# Altium PCB board.PcbDoc (part 3 of 4) (continued)
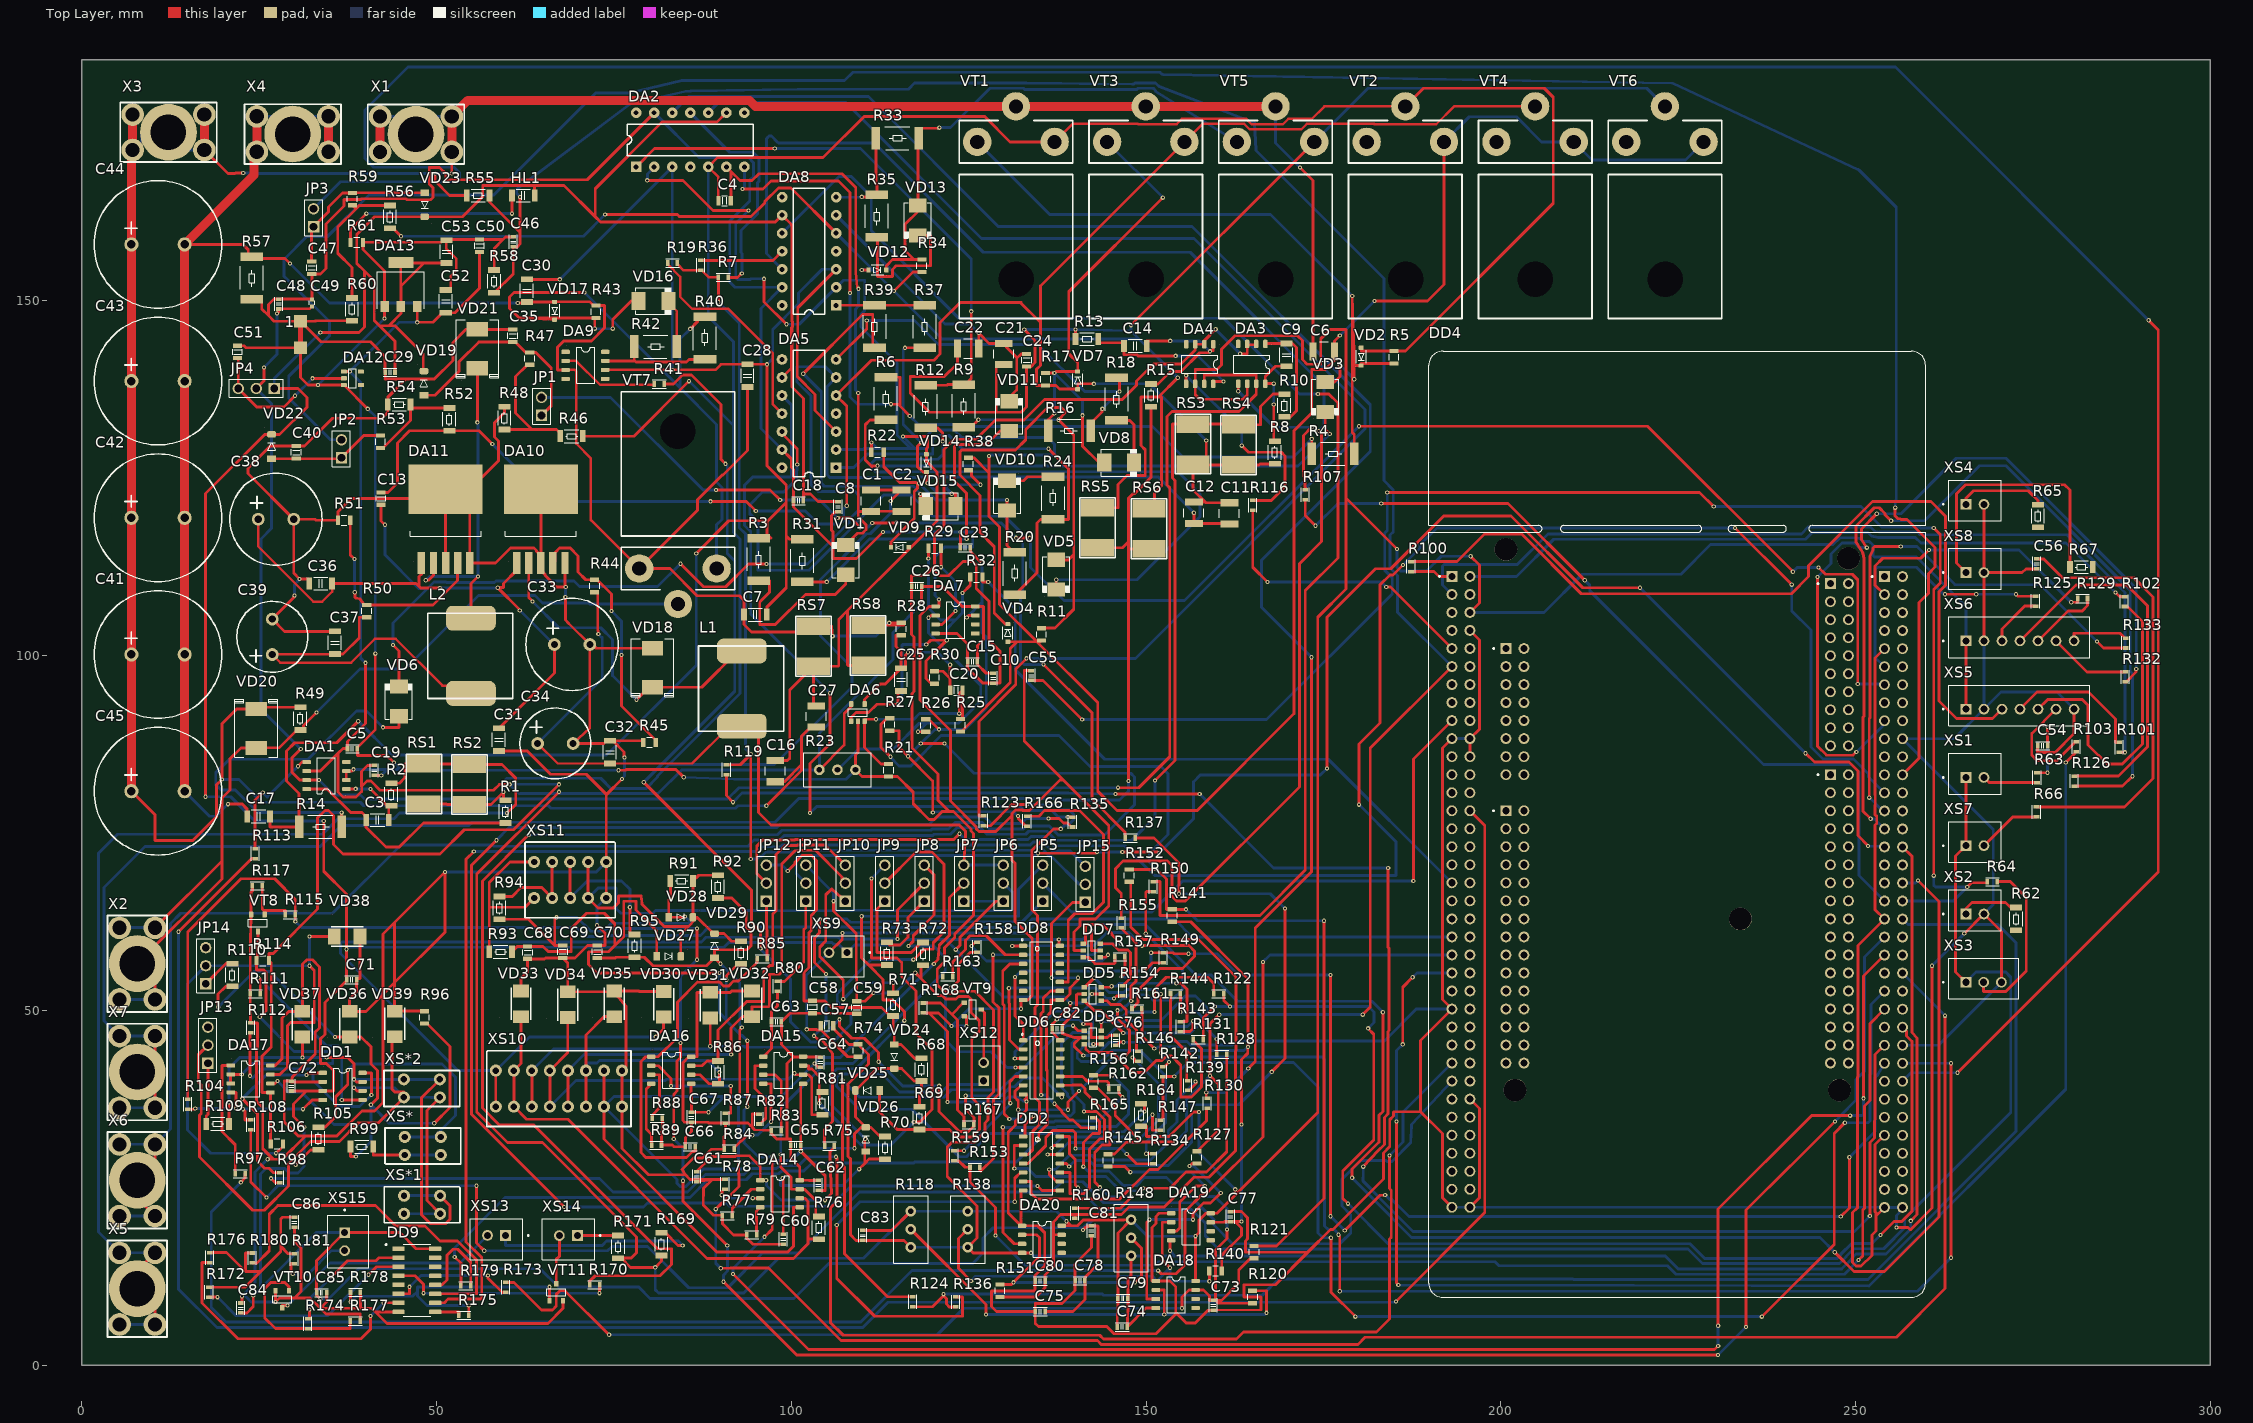
[diagram p0: Top Layer view]
## Nets (pads, with @x,y where several pads share a name; then routed paths per layer and width w, separated by ;. In a path a pad name is that pad's centre, name@x,y a point inside that pad or via, vN(x,y) a via of type N, cw(c..) or ccw(c..) an arc to the next point about the centre after c; other vN are vias at no path point) (continued)
NetC40_2: C40.2 JP2.1 R53.2 VD22.A | length 16.7
  Top Layer w0.35: VD22.A@26.775,127.775 C40.2@30.25,127.775 36.519,127.775 JP2.1@36.624,127.88
  Top Layer w0.4: JP2.1@36.624,127.88 39.769,131.025 R53.2@42.124,131.025
NetC47_2: C47.2 JP3.1 R59.2 VD23.A | length 23.1
  Top Layer w0.35: R59.2@38.175,165.2 38.225,165.25 VD23.A@48.35,165.25
  Top Layer w0.4: C47.2@32.425,155.525 32.425,160.155 JP3.1@32.7,160.43 34.81,162.54 34.81,163.236 36.775,165.2 R59.2@38.175,165.2
NetC51_1: C51.1 DA12.2 JP4.3 | length 22
  Top Layer w0.35: C51.1@21.975,141.925 22.085,141.815 JP4.3@22.085,137.65
  Top Layer w0.4: JP4.3@22.085,137.65 24.685,135.05 28.51,135.05 v1(30.085,136.625) ; v1(32.535,139.075) DA12.2@36.975,139.075
  Bottom Layer w0.4: v1(30.085,136.625) v1(32.535,139.075)
NetC58_2: C58.2 JP12.3 R68.1 R71.1 VD24.A | length 51.4
  Top Layer w0.4: v1(99.525,69.65) 100.497,70.622 100.497,70.817 101.505,71.825 102.852,71.825 103.581,71.096 103.581,64.136 102.819,63.374 102.819,61.252 102.521,60.954 102.521,56.065 101.803,55.348 101.803,51.35 C58.2@103,51.35 104.785,51.35 105.715,50.42 112.749,50.42 113.944,49.225 R71.1@114.375,49.225 114.375,47.268 114.525,47.118 VD24.A@114.525,45.2 115.468,45.2 117.418,43.25 R68.1@118.375,43.25
  Bottom Layer w0.4: JP12.3@96.5,70.475 98.7,70.475 v1(99.525,69.65)
NetC59_2: C59.2 JP11.3 R69.1 R72.1 VD25.A | length 82.7
  Top Layer w0.4: v1(105.969,65.406) 105.969,64.034 109.169,60.834 109.169,54.56 109.245,54.484 C59.2@109.245,51.3 ; C59.2@109.225,51.3 C59.2@109.245,51.3 ; v1(111.582,52.477) 110.405,51.3 C59.2@109.245,51.3 ; VD25.A@112.45,38.725 112.45,35.713 114.938,33.225 R69.1@118.075,33.225 122.301,33.225 123.351,32.175 125.478,32.175 126.55,33.247 126.55,36.621 125.437,37.734 125.437,45.975 126.504,47.042 126.504,48.552 125.35,49.706 125.35,51.584 124.984,51.95 123.562,51.95 123.212,51.6 121.789,51.6 121.281,52.108 120.692,52.108 118.288,54.513 ; v1(117.485,55.316) 118.288,54.513 ; R72.1@118.6,56.375 118.288,56.375 118.288,54.513
  Bottom Layer w0.4: JP11.3@102.064,70.475 105.969,66.57 v1(105.969,65.406) ; v1(111.582,52.477) 114.646,52.477 v1(117.485,55.316)
NetC60_2: C60.2 JP5.3 R70.1 R73.1 VD26.A | length 105.6
  Top Layer w0.4: v1(98.792,26.352) 98.792,26.298 98.875,26.215 C60.2@98.875,18.45 ; v1(109.575,27.636) 110.359,28.42 ; v1(109.931,63.275) 109.931,57.405 110.936,56.4 ; v1(110.439,31.903) 110.359,31.823 VD26.A@110.359,30.291 ; VD26.A@110.525,30.125 VD26.A@110.359,30.291 ; R70.1@113.25,29.05 110.989,29.05 110.359,28.42 ; R73.1@113.5,56.4 110.936,56.4 ; v1(115.951,48.566) 115.951,49.81 114.3,51.461 112.954,51.461 112.954,54.382 110.936,56.4 ; 110.359,28.42 VD26.A@110.359,30.291
  Bottom Layer w0.4: v1@98.79,26.431 cw(c99.073,26.148) 99.07,26.548 v1(98.792,26.352) 98.514,26.155 98.514,25.312 107.251,25.312 v1(109.575,27.636) ; v1(109.931,63.275) 132.056,63.275 132.056,67.081 JP5.3@135.45,70.475 ; v1(110.439,31.903) 105.588,36.755 105.588,40.895 106.477,41.784 109.169,41.784 v1(115.951,48.566)
NetC61_1: C61.1 DA14.1 R75.1 | length 31.5
  Top Layer w0.4: C61.1@86.675,27.3 88.8,29.425 92.123,29.425 92.223,29.525 94.1,29.525 94.2,29.425 95.631,27.994 DA14.1@95.631,26.08 v1(96.475,26.08) ; v1(104.775,23.267) 105.7,24.192 105.494,28.724 ccw(c105.094,28.706) 105.45,28.888 ; 105.45,28.889 105.45,30.1 106.05,30.7 106.05,30.85 R75.1@106.1,30.9
  Bottom Layer w0.4: v1(96.475,26.08) 96.513,26.042 96.513,25.321 98.566,23.267 v1(104.775,23.267)
NetC63_1: C63.1 DA15.1 R80.1 | length 10
  Top Layer w0.4: DA15.1@96.081,43.48 97.225,44.624 C63.1@97.225,48.4 97.225,49.832 98.05,50.657 R80.1@98.05,52.7
NetC66_1: C66.1 DA16.1 R85.1 | length 47.9
  Top Layer w0.4: C66.1@86.5,30.8 86.5,30.125 86.106,30.125 85.268,29.287 79.502,29.287 78.816,29.973 78.816,42.8 79.496,43.48 DA16.1@80.306,43.48 81.253,43.48 83.972,46.199 83.972,51.157 86.816,54 89.928,54 90.478,53.45 91.202,53.45 91.88,54.128 92.583,54.128 95.2,56.745 R85.1@95.2,57.3
NetDA2_1: DA2.1 R9.2 R12.2 | length 78.4
  Top Layer w0.4: DA2.1@78.16,168.88 80.756,171.476 v1(97.688,171.476) ; R12.2@118.95,138.1 121.92,138.1 122.02,138.2 R9.2@124.325,138.2 124.534,138.2 125.374,139.041 v1(125.374,148.515)
  Bottom Layer w0.4: v1(97.688,171.476) 109.778,171.476 125.374,155.88 v1(125.374,148.515)
NetDA2_7: DA2.7 R4.2 R6.2 | length 126.1
  Top Layer w0.4: v1(93.142,165.761) 96.006,165.761 97.137,166.892 106.68,166.892 108.292,165.28 v1(108.292,151.115) ; R6.2@113.35,139.225 115.316,139.225 115.316,135.18 ; v1(114.071,135.434) 115.062,135.434 115.316,135.18 ; v1(116.713,133.783) 115.316,135.18 ; R4.2@173.35,128.45 v1(173.35,130.552)
  Bottom Layer w0.4: v1(93.142,165.761) 93.4,166.02 DA2.7@93.4,168.88 ; v1(108.292,151.115) 108.292,136.469 109.328,135.434 v1(114.071,135.434) ; v1(116.713,133.783) 117.944,132.551 123.711,132.551 123.979,132.284 150.927,132.284 155.219,127.992 170.79,127.992 v1(173.35,130.552)
NetDA2_11: DA2.11 R7.1 | length 31.8
  Top Layer w0.4: R7.1@91.15,153.3 92.446,153.3 92.996,153.85 v1(93.05,153.85)
  Bottom Layer w0.4: DA2.11@85.78,176.5 91.35,170.93 94.615,170.93 95.45,170.095 95.45,166.83 95.275,166.655 95.275,162.231 92.95,159.905 92.95,156.789 93.05,156.689 v1(93.05,153.85)
NetDA5_1: DA5.1 R20.2 R24.2 | length 61
  Top Layer w0.4: R20.2@131.525,108.575 131.547,108.575 134.65,111.678 134.65,118.7 135.15,119.2 R24.2@136.9,119.2 139.065,119.2 139.065,126.341 v1(136.246,129.16)
  Bottom Layer w0.4: DA5.1@106.325,126.495 108.816,126.495 110.744,128.424 119.939,128.424 119.939,130.479 120.511,131.051 122.211,131.051 124.103,129.16 v1(136.246,129.16)
NetDA5_7: DA5.7 R16.2 R18.2 | length 56.6
  Top Layer w0.4: DA5.7@106.325,141.735 110.642,146.052 v1(110.642,147.219) ; R16.2@142.2,131.7 142.2,132.7 143.812,134.312 143.812,134.737 v1(143.85,134.775) ; R18.2@145.85,139.15 146.253,139.15 v1(146.253,137.212)
  Bottom Layer w0.4: v1(110.642,147.219) 117.401,147.219 120.753,143.867 134.721,143.867 141.376,137.212 v1(146.253,137.212) v1@143.815,134.773
NetDA5_11: DA5.11 R19.1 | length 30.9
  Top Layer w0.35: R19.1@82.575,155.325 82.65,155.25 82.65,155.1 84.354,153.396 84.354,150.579 86.058,148.875 91.15,148.875 97.43,142.595 97.43,135.39 DA5.11@98.705,134.115
NetDA7_2: DA7.2 R23.2 R26.1 | length 42.9
  Top Layer w0.4: v1(117.856,89.275) R26.1@118.95,89.275 ; v1(119.355,105.335) 119.68,105.66 DA7.2@120.356,105.66
  Bottom Layer w0.4: R23.2@106.515,83.9 109.479,86.864 114.433,86.864 118.046,90.477 119.058,90.477 ; v1(117.856,89.275) 119.058,90.477 ; v1(119.355,105.335) 119.355,103.201 126.721,95.835 126.721,93.6 123.597,90.477 119.058,90.477
NetDA7_3: DA7.3 R29.2 | length 13.2
  Top Layer w0.4: DA7.3@120.356,104.39 121.229,104.39 v1(123.139,106.3) ; v1(121.1,112.472) R29.2@121.1,115.125
  Bottom Layer w0.4: v1(121.1,112.472) 123.139,110.433 v1(123.139,106.3)
NetDA8_1: DA8.1 R37.2 R39.2 | length 12.5
  Top Layer w0.35: DA8.1@106.345,149.365 111.74,149.365 R39.2@111.75,149.375 R37.2@118.825,149.375
NetDA8_7: DA8.7 R33.2 R35.2 | length 14
  Top Layer w0.4: v1(109.95,164.65) 111.8,164.65 R35.2@112.075,164.925 112.075,166.362 111.95,166.487 R33.2@111.95,172.925
  Bottom Layer w0.4: DA8.7@106.345,164.605 v1@110.068,164.605
NetDA8_11: DA8.11 R36.1 | length 12
  Top Layer w0.4: R36.1@87.25,155.7 97.44,155.7 DA8.11@98.725,156.985
NetDA9_2: DA9.2 R41.1 | length 14
  Top Layer w0.35: DA9.2@68.206,141.535 69.699,141.535 73.064,138.17 80.65,138.17 80.725,138.245 R41.1@80.725,138.275
NetDA9_7: DA9.7 R40.2 R42.2 | length 16.3
  Top Layer w0.4: DA9.7@73.794,141.535 77.978,141.535 ; R42.2@77.875,143.55 77.875,141.638 77.978,141.535 ; R40.2@87.85,141.75 85.615,141.75 85.242,141.377 78.136,141.377 77.978,141.535
NetDA10_2: DA10.2 L1.1 VD18.C | length 46.7
  Top Layer w0.4: DA10.2@63.025,113.05 63.025,108.204 63.55,107.679 v1(63.55,107.625) ; v1(78.191,93.791) 79.95,95.55 VD18.C@80.45,95.55 87.402,95.55 92.502,100.65 L1.1@93.05,100.65
  Bottom Layer w0.4: v1(63.55,107.625) 67.25,103.925 73.167,103.925 74.806,102.286 74.806,97.177 v1(78.191,93.791)
NetDA10_4: DA10.4 R44.2 R45.1 | length 37.3
  Top Layer w0.4: DA10.4@66.425,113.05 66.75,113.375 66.75,114.528 67.372,115.15 68.878,115.15 69.964,114.064 69.964,111.786 71.05,110.7 72.65,110.7 74.675,108.675 v1(74.675,106.275) ; v1(76.1,100.075) 76.1,92.925 80.9,88.125 R45.1@80.9,87.775
  Bottom Layer w0.4: v1(74.675,106.275) 76.1,104.85 v1(76.1,100.075)
NetDA11_2: DA11.2 L2.1 VD21.C | length 46.4
  Top Layer w0.4: v1(48.505,110.625) 48.895,110.625 49.6,111.33 DA11.2@49.6,113.05 ; L2.1@54.875,105.275 54.875,110.142 v1(55.875,111.142) ; v1(55.775,132.875) VD21.C@55.775,140.5
  Bottom Layer w0.4: v1(48.505,110.625) 49.022,111.142 v1(55.875,111.142) 55.875,132.775 v1(55.775,132.875)
NetDA11_4: DA11.4 R50.2 R51.1 | length 30
  Top Layer w0.4: R51.1@37.875,119.075 37.875,114.193 v1(38.45,113.618) ; v1(38.498,108.927) 38.536,108.889 38.536,108.189 38.625,108.1 39.185,108.024 39.85,107.15 R50.2@40.2,107.15 49.541,107.15 53,110.609 DA11.4@53,113.05
  Bottom Layer w0.4: v1(38.45,113.618) 38.45,110.073 38.498,110.025 v1(38.498,108.927)
NetDA14_2: DA14.2 R77.1 | length 6.1
  Top Layer w0.4: R77.1@91.7,21.05 91.7,22.13 94.38,24.81 DA14.2@95.631,24.81
NetDA14_3: DA14.3 R78.1 | length 6.5
  Top Layer w0.4: v1(90.225,23.975) 90.263,24.013 90.263,24.484 90.475,24.696 90.475,24.75 R78.1@90.529,24.75 ; v1(94.576,23.547) 94.583,23.54 DA14.3@95.631,23.54
  Bottom Layer w0.4: v1(90.225,23.975) 90.263,23.937 90.872,23.937 91.262,23.547 v1(94.576,23.547)
NetDA14_4: DA14.4 R79.1 | length 4.1
  Top Layer w0.4: R79.1@95.125,18.375 95.125,21.764 DA14.4@95.631,22.27
NetDA15_2: DA15.2 R82.1 | length 10.5
  Top Layer w0.4: R82.1@95.475,34 95.525,34.05 95.675,34.05 96.425,34.8 96.425,37.51 94.92,39.015 94.92,42.21 DA15.2@96.081,42.21
NetDA15_3: DA15.3 R83.1 | length 9.9
  Top Layer w0.4: DA15.3@96.081,40.94 97.739,40.94 98.6,40.079 R83.1@98.6,33.05
NetDA15_4: DA15.4 R84.1 | length 13.3
  Top Layer w0.4: R84.1@91.95,30.475 91.95,30.625 93.743,32.418 v1(94.514,32.418) ; DA15.4@96.081,39.67 97.175,39.67 97.175,34.35 v1(97.15,34.325)
  Bottom Layer w0.4: v1(94.514,32.418) 94.552,32.456 95.281,32.456 v1(97.15,34.325)
NetDA16_2: DA16.2 R87.1 | length 17.6
  Top Layer w0.4: DA16.2@80.306,42.21 81.28,42.21 83.058,40.432 v1(83.058,39.346) ; R87.1@90.725,35.525 91.491,35.525 v1(91.491,39.346)
  Bottom Layer w0.4: v1(83.058,39.346) v1(91.491,39.346)
NetDA16_3: DA16.3 R88.1 | length 7.7
  Top Layer w0.4: DA16.3@80.306,40.94 81.458,40.94 81.458,36.298 80.45,35.29 R88.1@80.45,34.825
NetDA16_4: DA16.4 R89.1 | length 9.3
  Top Layer w0.4: DA16.4@80.306,39.67 79.578,38.942 79.578,33.275 80.325,32.528 R89.1@80.325,31.025
NetDA17_1: DA17.1 R97.1 | length 17.3
  Top Layer w0.4: DA17.1@21.031,42.255 19.787,42.255 19.787,32.928 21.65,31.065 R97.1@21.65,27
NetDA17_4: DA17.4 R104.1 | length 9.9
  Top Layer w0.4: R104.1@14.95,36.075 15.846,36.075 15.971,36.2 v1(16.025,36.2) ; DA17.4@21.031,38.445 21.768,38.445 v1(21.768,36.196)
  Bottom Layer w0.4: v1(16.025,36.2) 16.027,36.198 21.766,36.198 v1(21.768,36.196)
NetDA17_6: DA17.6 R96.2 R99.1 R110.1 VD36.C | length 95
  Top Layer w0.4: v1(19.253,50.445) 19.253,52.333 20.32,53.4 R110.1@21.25,53.4 ; DA17.6@26.619,39.715 27.268,39.715 v1(27.61,40.057) ; v1(35.717,46.275) VD36.C@37.775,46.275 39.37,46.275 40.767,44.878 40.767,42.461 41.693,41.535 41.693,37.63 v1(40.767,36.704) ; R99.1@37.9,30.8 37.9,29.414 v1(38.659,29.414) ; R96.2@48.325,48.15 48.666,48.15 51.918,44.899 51.918,36.323 v1(49.708,34.113)
  Bottom Layer w0.4: v1(19.253,50.445) 24.282,55.475 26.518,55.475 v1(35.717,46.275) ; v1(27.61,40.057) 29.185,38.482 31.013,38.482 35.56,33.935 40.767,33.935 ; v1(38.659,29.414) 40.767,31.522 40.767,33.935 ; v1(49.708,34.113) 43.358,34.113 v1(40.767,36.704) 40.767,33.935
NetDA17_7: DA17.7 JP14.2 R105.1 R106.1 VD38.C | length 90.6
  Top Layer w0.4: DA17.7@26.619,40.985 27.94,40.985 29.005,42.05 29.005,47.843 29.464,48.302 32.791,48.302 32.791,55.64 v1(32.131,56.3) ; v1(27.394,29.894) 27.444,29.894 28.4,30.85 R106.1@28.4,31.2 ; v1(30.175,28.25) 32.275,30.35 R105.1@33.375,30.35 ; v1(32.131,60.425) VD38.C@35.625,60.425
  Bottom Layer w0.4: v1@27.463,29.913 v1(27.394,29.894) v1@27.325,29.875 ; v1(30.175,28.25) 28.55,29.875 v1@27.325,29.875 ; v1(32.131,60.425) v1(32.131,56.3) JP14.2@17.5,56.3 14.923,53.723 14.923,33.165 18.213,29.875 v1@27.325,29.875
NetDA18_2: DA18.2 R118.2 R120.1 | length 65.7
  Top Layer w0.4: R118.2@116.85,19.175 127.442,8.583 v1(127.442,7.162) ; DA18.2@151.406,10.61 152.578,10.61 v1(152.578,7.162) ; R120.1@165.025,10.5 166.98,10.5 v1(166.98,7.392)
  Bottom Layer w0.4: v1(127.442,7.162) v1(152.578,7.162) 166.75,7.162 v1(166.98,7.392)
NetDA18_3: DA18.3 R127.2 | length 31.9
  Top Layer w0.4: v1(150.495,20.524) 150.114,20.143 150.114,9.34 DA18.3@151.406,9.34 ; v1(156.134,28.093) 156.465,28.425 R127.2@157.175,28.425 ; v1(156.616,20.524) 156.616,21.388 158.09,22.861 159.106,22.861 v1(160.528,24.283)
  Bottom Layer w0.4: v1(150.495,20.524) v1(156.616,20.524) ; v1(156.134,28.093) 156.718,28.093 v1(160.528,24.283)
NetDA19_2: DA19.2 R138.2 R140.1 | length 54.9
  Top Layer w0.4: R138.2@124.875,19.175 123.571,17.871 123.571,13.666 v1(125.358,11.879) ; v1(153.391,13.742) 152.298,14.835 152.298,20.16 DA19.2@153.556,20.16 ; v1(158.925,11.837) R140.1@158.925,13.3
  Bottom Layer w0.4: v1(125.358,11.879) 126.013,12.535 150.89,12.535 151.536,11.888 v1(153.391,13.742) 153.391,11.837 v1(158.925,11.837)
NetDA19_3: DA19.3 R145.2 | length 24.3
  Top Layer w0.4: R145.2@144.65,28 147.007,28 v1(147.79,27.217) ; DA19.3@153.556,18.89 154.305,18.89 154.749,19.334 154.749,23 157.023,25.274 v1(158.293,25.274)
  Bottom Layer w0.4: v1(147.79,27.217) 156.35,27.217 v1(158.293,25.274)
NetDA20_2: DA20.2 R148.2 R151.1 | length 37.7
  Top Layer w0.4: R151.1@129.425,11.375 131.008,11.375 ; v1(131.333,11.685) 131.008,11.375 ; DA20.2@132.531,18.385 134.586,18.385 134.976,17.996 134.976,15.343 131.008,11.375 ; R148.2@147.9,17.96 149.364,16.496 149.364,12.586 v1(148.463,11.685)
  Bottom Layer w0.4: 131.008,11.375 v1(131.333,11.685) v1(148.463,11.685)
NetDA20_3: DA20.3 R156.2 | length 45.8
  Top Layer w0.4: v1(129.831,33.55) 129.831,18.709 131.425,17.115 DA20.3@132.531,17.115 ; R156.2@142.6,40.875 v1(145.288,40.875)
  Bottom Layer w0.4: v1(129.831,33.55) 129.856,33.525 137.354,33.525 137.479,33.65 145.815,33.65 147.549,35.383 147.549,38.614 v1(145.288,40.875)
NetDD1_1: DD1.1 R98.1 | length 26.4
  Top Layer w0.4: v1(22.657,37.552) 24.775,35.434 24.775,28.773 25.774,27.774 26.402,27.774 27.051,27.125 R98.1@27.95,27.125 ; v1(31.699,40.92) 31.984,41.205 DD1.1@34.006,41.205
  Bottom Layer w0.4: v1(22.657,37.552) 26.025,40.92 v1(31.699,40.92)
NetDD1_4: DD1.4 R108.1 | length 14.2
  Top Layer w0.4: v1(22.758,36.094) 23.049,35.804 23.049,34.575 R108.1@23.825,34.575 ; v1(31.211,36.094) 32.512,37.395 DD1.4@34.006,37.395
  Bottom Layer w0.4: v1(22.758,36.094) v1(31.211,36.094)
NetDD1_5: DD1.5 R111.1 | length 28.3
  Top Layer w0.4: v1(24.917,54.611) 25.175,54.353 R111.1@25.175,52.375 ; v1(36.664,37.395) DD1.5@39.594,37.395
  Bottom Layer w0.4: v1(24.917,54.611) 34.544,44.984 36.222,44.984 36.664,44.542 v1(36.664,37.395)
NetDD1_6: DD1.6 JP13.2 VD39.C XS*1.2 XS*2.2 | length 104.4
  Top Layer w0.4: JP13.2@17.8,45.1 16.45,43.75 16.45,39.93 16.875,39.505 16.875,35.482 16.625,35.232 16.625,29.346 24.126,21.845 25.751,21.845 29.174,25.268 29.174,28.451 32.271,31.548 36.347,31.548 38.985,34.186 41.856,34.186 XS*2.2@45.42,37.75 45.42,38.507 44.145,38.507 43.764,38.888 43.764,46.3 VD39.C@44.125,46.3 ; v1(38.381,39.103) 38.819,38.665 DD1.6@39.594,38.665 ; XS*2.2@50.5,37.75 48.666,35.916 48.666,23.209 XS*1.2@50.525,21.35
  Bottom Layer w0.4: v1(38.381,39.103) 44.067,39.103 XS*2.2@45.42,37.75 45.441,37.771 49.225,37.771 49.246,37.75 XS*2.2@50.5,37.75 ; XS*1.2@45.445,21.35 48.552,21.35 48.565,21.362 50.513,21.362 XS*1.2@50.525,21.35
NetDD1_7: DD1.7 R109.1 VD37.C XS*1.1 XS*2.1 | length 79
  Top Layer w0.4: R109.1@20.775,34.025 v1(20.775,37.057) ; v1(31.125,43.384) VD37.C@31.125,46.275 ; v1(34.544,43.384) 37.51,43.384 38.403,42.491 v1(38.403,40.29) 38.758,39.935 DD1.7@39.594,39.935 ; XS*2.1@50.5,40.29 47.904,37.694 47.904,21.21 49.174,19.94 51.308,19.94 51.943,20.575 51.943,22.472 XS*1.1@50.525,23.89
  Bottom Layer w0.4: v1(20.775,37.057) 20.775,41.862 22.298,43.384 v1(31.125,43.384) v1(34.544,43.384) ; v1(38.403,40.29) XS*2.1@45.42,40.29 XS*2.1@50.5,40.29 ; XS*1.1@45.445,23.89 45.457,23.902 50.513,23.902 XS*1.1@50.525,23.89
NetDD1_8: DD1.8 R112.1 | length 32.1
  Top Layer w0.4: v1(23.749,40.789) 23.749,46.85 R112.1@23.825,46.85 ; DD1.8@39.594,41.205 40.843,41.205 v1(40.843,38.101)
  Bottom Layer w0.4: v1(23.749,40.789) 24.074,40.463 25.382,41.77 32.602,41.77 32.602,40.131 36.283,36.45 39.192,36.45 v1(40.843,38.101)
NetDD2_1: DD2.1 R122.1 | length 49.9
  Top Layer w0.4: DD2.1@132.675,32.235 132.969,32.235 132.969,33.934 134.15,35.115 v1(134.15,35.125) ; v1(151.181,49.773) 151.181,53.011 152.857,54.687 158.674,54.687 159.55,53.811 R122.1@159.55,52.375
  Bottom Layer w0.4: v1@134.185,35.15 139.352,35.15 139.85,35.648 139.85,37.084 138.95,37.984 138.95,38.292 138.109,39.133 138.109,45.34 139.684,46.915 142.088,46.915 142.486,47.313 142.486,48.748 142.987,49.25 144.626,49.25 144.713,49.163 146.697,49.163 147.307,49.773 v1(151.181,49.773)
NetDD2_2: DD2.2 R128.1 | length 51.7
  Top Layer w0.4: v1(131.445,27.738) 131.445,30.965 DD2.2@132.675,30.965 ; v1(149.555,24.944) 153.358,24.944 155.651,27.237 158.529,27.237 161.375,30.083 R128.1@161.375,43.825
  Bottom Layer w0.4: v1(131.445,27.738) 133.34,27.738 134.456,26.622 144.372,26.622 146.394,24.6 149.157,24.6 149.501,24.944 v1(149.555,24.944)
NetDD2_3: DD2.3 R123.2 | length 67.9
  Top Layer w0.4: R123.2@127.1,76.025 128.067,76.025 131.067,79.025 v1(133.238,79.025) ; DD2.3@132.675,29.695 133.358,29.695 134.038,30.374 134.038,32.983 135,33.946 135,37.123 134.375,37.748 134.375,50.402 134.72,50.747 134.72,63.401 133.922,64.199 133.922,72.567 136.949,75.594 v1(137.981,75.594)
  Bottom Layer w0.4: v1(133.238,79.025) 134.272,79.025 134.338,78.959 137.424,78.959 138.103,78.281 139.147,78.281 139.826,77.602 139.826,76.898 139.029,76.101 138.542,76.101 138.035,75.594 v1(137.981,75.594)
NetDD2_4: DD2.4 R134.1 | length 24.1
  Top Layer w0.4: DD2.4@132.675,28.425 133.35,28.425 135.865,30.94 135.865,32.107 136.855,33.097 139.725,33.097 140.081,32.742 v1(140.081,30.55) ; v1(147.295,29.77) 148.664,28.4 R134.1@150.975,28.4
  Bottom Layer w0.4: v1(140.081,30.55) 146.514,30.55 v1(147.295,29.77)
NetDD2_5: DD2.5 R136.1 | length 62.4
  Top Layer w0.4: v1(106.426,19.762) 106.426,12.25 111.766,6.91 124.155,6.91 124.155,9.625 R136.1@123.2,9.625 ; v1(131.496,23.039) 131.496,26.349 132.302,27.155 DD2.5@132.675,27.155
  Bottom Layer w0.4: v1(106.426,19.762) 109.703,23.039 v1(131.496,23.039)
NetDD2_6: DD2.6 R130.2 | length 34.3
  Top Layer w0.4: DD2.6@132.675,25.885 133.833,25.885 133.833,24.207 134.62,23.42 146.304,23.42 150.47,27.585 151.669,27.585 158.547,34.463 158.547,36.2 R130.2@158.65,36.2
NetDD2_8: DD2.8 R135.2 | length 214
  Top Layer w0.4: v1(58.471,73.991) 54.949,70.47 54.949,35.373 v1(68.02,22.302) ; v1(134.696,25.274) 135.355,24.615 DD2.8@137.875,24.615 ; v1(136.275,77.05) 137.727,77.05 138.377,76.4 138.95,76.4 139.45,75.9 139.6,75.9 R135.2@139.65,75.85
  Bottom Layer w0.4: v1(58.471,73.991) 60.261,75.781 98.024,75.781 98.459,76.216 119.418,76.216 120.261,77.059 120.315,77.059 120.506,77.25 127.27,77.25 128.195,76.325 132.436,76.325 133.161,77.05 v1(136.275,77.05) ; v1(68.02,22.302) 79.212,22.302 79.76,22.85 90.898,22.85 91.331,22.417 105.601,22.417 108.458,25.274 v1(134.696,25.274)
NetDD2_9: DD2.9 R139.1 | length 33.6
  Top Layer w0.4: v1(136.373,27.575) 136.373,26.9 137.387,25.885 DD2.9@137.875,25.885 ; R139.1@155.9,38.725 156.058,38.725 157.048,39.716 157.048,39.981 v1(156.972,39.981)
  Bottom Layer w0.4: v1(136.373,27.575) 137.226,27.575 139.243,29.592 142.353,29.592 143.028,28.917 150.639,28.917 153.13,31.408 153.13,33.061 154.367,34.297 154.367,37.375 v1(156.972,39.981)
NetDD2_10: DD2.10 R143.1 | length 53.4
  Top Layer w0.4: DD2.10@137.875,27.155 139.268,27.155 139.268,24.17 141.173,24.17 142.023,25.02 142.023,30.438 143.51,31.925 144.175,31.925 144.175,34.625 143.036,35.764 v1(141.249,35.764) ; R143.1@154.825,47.025 156.185,47.025 156.616,47.457 v1(156.616,48.49)
  Bottom Layer w0.4: v1(141.249,35.764) 141.249,36.745 139.7,38.294 139.7,38.696 139.558,38.838 139.558,45.373 140.335,46.15 144.387,46.15 145.887,47.65 146.373,47.65 146.386,47.663 147.661,47.663 147.737,47.74 155.866,47.74 v1(156.616,48.49)
NetDD2_11: DD2.11 R137.2 | length 90.7
  Top Layer w0.4: DD2.11@137.875,28.425 138.757,28.425 v1(139.167,28.015) ; R137.2@148.475,74.3 148.475,74.296 151.104,74.296 154.635,70.765 v1(154.635,66.447) ; v1(167.712,41.353) 169.584,43.225 v1(169.584,64.377)
  Bottom Layer w0.4: v1(139.167,28.015) 139.993,28.842 142.023,28.842 142.698,28.167 153.128,28.167 156.452,31.492 156.452,36.716 163.075,36.716 v1(167.712,41.353) ; v1(154.635,66.447) 167.513,66.447 v1(169.584,64.377)
NetDD2_12: DD2.12 R146.1 | length 30.8
  Top Layer w0.4: v1(136.144,29.695) DD2.12@137.875,29.695 ; v1(148.107,43.359) 148.412,43.054 148.412,42.85 R146.1@148.875,42.85
  Bottom Layer w0.4: v1(136.144,29.695) 137.371,29.695 139.076,31.4 148.604,31.4 151.765,34.561 151.765,39.701 v1(148.107,43.359)
NetDD2_13: DD2.13 R147.1 | length 20.8
  Top Layer w0.4: v1(136.703,30.633) 137.034,30.965 DD2.13@137.875,30.965 ; v1(150.901,35.311) 150.901,33.125 R147.1@152.025,33.125
  Bottom Layer w0.4: v1(136.703,30.633) 138.219,32.15 147.741,32.15 v1(150.901,35.311)
NetDD3_1: DD3.1 R124.1 | length 76.3
  Top Layer w0.4: v1(107.213,40.184) 107.213,28.195 107.493,27.916 107.493,15.724 113.566,9.65 R124.1@117.125,9.65 ; v1(139.725,47.855) 140.43,47.15 DD3.1@141.3,47.15
  Bottom Layer w0.4: v1(107.213,40.184) 109.622,37.775 121.513,37.775 122.562,38.824 124.788,38.824 124.816,38.796 129.423,38.796 131.752,41.125 131.975,41.125 138.704,47.855 v1(139.725,47.855)
NetDD3_3: DD3.3 R131.1 | length 32.3
  Top Layer w0.4: DD3.3@141.3,45.25 141.51,45.25 141.51,44.584 142.023,44.07 145.273,44.07 148.067,41.276 149.758,41.276 151.435,42.952 152.275,42.952 152.898,43.575 153.602,43.575 154.889,42.288 154.889,37.796 156.423,37.796 157.822,39.195 157.822,44.599 156.675,45.746 R131.1@156.675,45.9
NetDD3_4: DD3.4 R134.2 | length 32.4
  Top Layer w0.4: v1(142.582,45.25) DD3.4@143.7,45.25 ; v1(150.038,29.8) R134.2@150.975,29.8
  Bottom Layer w0.4: v1(142.582,45.25) 141.558,45.25 140.323,44.016 140.323,43.312 140.821,42.814 143.657,42.814 145.238,44.395 149.129,44.395 152.781,40.743 152.781,34.212 150.038,31.468 v1(150.038,29.8)
NetDD3_6: DD3.6 R128.2 | length 25.5
  Top Layer w0.4: v1(143.688,48.4) 143.688,47.15 DD3.6@143.7,47.15 ; R128.2@159.975,43.825 v1(159.975,45.975)
  Bottom Layer w0.4: v1(143.688,48.4) 146.062,48.4 146.075,48.413 147.007,48.413 147.186,48.591 152.095,48.591 155.524,52.02 156.997,52.02 158.598,50.42 158.598,47.352 v1(159.975,45.975)
NetDD4_CN11_9: DD4.CN11_9 R116.2 | length 40.8
  Top Layer w0.4: R116.2@165.05,120.475 165.049,112.447 v1(167.132,110.364) ; v1(183.858,109.656) 184.454,109.656 DD4.CN11_9@193.105,101.005
  Bottom Layer w0.4: v1(167.132,110.364) 183.15,110.364 v1(183.858,109.656)
NetDD4_CN11_28: DD4.CN11_28 R113.2 | length 316
  Top Layer w0.4: v1(13.665,61.088) 23.977,71.4 R113.2@24.475,71.4 ; v1(185.217,8.993) 197.739,21.515 197.739,76.051 DD4.CN11_28@195.645,78.145
  Bottom Layer w0.4: v1(13.665,61.088) 13.665,10.72 19.075,5.31 110.084,5.31 113.651,8.877 185.102,8.877 v1(185.217,8.993)
NetDD4_CN12_37: DD4.CN12_37 R107.2 | length 117.9
  Top Layer w0.4: R107.2@172.45,121.95 172.45,119.75 v1(173.9,118.3) ; v1(183.15,121.45) 201.001,121.45 v1(211.826,110.625)
  Bottom Layer w0.4: v1(173.9,118.3) 177.05,121.45 v1(183.15,121.45) ; v1(211.826,110.625) 212.542,109.909 212.542,109.133 237.009,84.666 249.404,84.666 250.45,83.62 250.45,69.04 DD4.CN12_37@254.065,65.425
NetDD4_CN12_53: DD4.CN12_53 R119.2 | length 247.2
  Top Layer w0.4: R119.2@90.875,83.225 90.875,80.275 v1(91.8,79.35) ; v1(145.706,80.506) 145.709,80.509 157.555,80.509 v1(157.558,80.512) v1@157.6,80.471 ; v1(180.606,27.994) 182.7,30.229 183.6,31.129 183.6,34.914 184.125,35.439 184.125,47.053 184.225,47.153 184.225,58.767 184.125,58.867 v1(184.125,70.087) ; v1(252,21.05) 252,31.401 252.65,32.051 252.75,36.987 252.75,43.79 DD4.CN12_53@254.065,45.105
  Bottom Layer w0.4: v1(91.8,79.35) 93.075,80.625 139.048,80.625 145.7,80.5 v1(145.706,80.506) v1@145.712,80.512 ; v1@157.6,80.471 167.984,70.087 v1(184.125,70.087) ; v1(180.606,27.994) 180.606,26.991 180.56,26.164 ccw(c180.959,26.142) 180.675,25.86 180.677,25.859 182.85,23.686 182.85,23.648 187.623,18.875 249.825,18.875 v1(252,21.05)
NetDD5_1: DD5.1 R142.1 | length 23.8
  Top Layer w0.4: DD5.1@141.3,53.275 141.376,53.275 v1(142.712,54.611) ; v1(152.07,52.3) 152.085,52.284 152.085,44.04 v1(152.1,44.025) ; R142.1@152.375,42.075 152.425,42.125 152.65,42.125 v1(153.25,42.725)
  Bottom Layer w0.4: v1(142.712,54.611) 144.773,52.55 146.86,52.55 147.246,52.936 151.433,52.936 v1(152.07,52.3) ; v1(152.1,44.025) 153.212,42.913 153.212,42.763 v1(153.25,42.725)
NetDD5_3: DD5.3 R144.1 | length 25.7
  Top Layer w0.4: DD5.3@141.3,51.375 142.702,49.973 143.68,49.973 146.8,46.853 v1(146.8,46.813) ; v1(154.85,49.768) R144.1@154.85,52.375
  Bottom Layer w0.4: v1(146.8,46.813) 156.243,46.813 157.777,48.347 157.777,49.209 157.218,49.768 v1(154.85,49.768)
NetDD5_4: DD5.4 R146.2 | length 10.6
  Top Layer w0.4: DD5.4@143.7,51.375 144.51,51.375 145.035,50.85 145.852,50.85 145.865,50.863 146.414,50.863 147.225,50.052 147.225,48.713 148.675,47.263 148.675,44.45 R146.2@148.875,44.25
NetDD5_6: DD5.6 R143.2 | length 18.1
  Top Layer w0.4: DD5.6@143.7,53.275 145.022,53.275 v1(145.16,53.413) ; v1(154.28,53.824) 154.94,53.824 155.766,52.997 155.766,48.425 R143.2@154.825,48.425
  Bottom Layer w0.4: v1(145.16,53.413) 145.866,53.413 146.276,53.824 v1(154.28,53.824)
NetDD6_1: DD6.1 R149.1 | length 31.2
  Top Layer w0.4: v1(131.525,54.716) 131.525,49.222 132.7,48.047 DD6.1@132.7,45.785 ; v1(149.758,55.545) 150.939,56.725 R149.1@152.425,56.725
  Bottom Layer w0.4: v1(131.525,54.716) 132.384,55.575 147.917,55.575 147.947,55.545 v1(149.758,55.545)
NetDD6_2: DD6.2 R154.1 | length 26.6
  Top Layer w0.4: v1(130.675,53.134) 130.675,51.095 130.775,50.995 130.775,45.82 132.08,44.515 DD6.2@132.7,44.515 ; v1(145.5,51.7) 145.5,51.709 145.841,52.05 R154.1@146.7,52.05
  Bottom Layer w0.4: v1@130.74,53.093 130.822,53.175 142.945,53.175 144.445,51.675 v1@145.466,51.675
NetDD6_3: DD6.3 R150.2 | length 46.9
  Top Layer w0.4: v1(131.521,43.245) DD6.3@132.7,43.245 ; v1(149.972,60.825) 149.972,66.608 150.114,66.75 R150.2@151.025,66.75
  Bottom Layer w0.4: v1(131.521,43.245) 131.521,44.172 137.259,49.909 141.122,49.909 142.063,50.85 145.852,50.85 146.777,51.775 147.146,51.775 147.557,52.186 150.227,52.186 150.963,51.45 153.633,51.45 155.143,52.96 155.143,55.655 v1(149.972,60.825)
NetDD6_4: DD6.4 R158.1 | length 27.4
  Top Layer w0.4: v1(122.452,53.2) 122.628,53.2 123.596,54.169 123.596,56.524 125.273,58.2 R158.1@126.175,58.2 ; v1(131.623,41.975) DD6.4@132.7,41.975
  Bottom Layer w0.4: v1(122.452,53.2) 121.744,52.492 121.744,45.822 123.379,44.187 128.204,44.187 130.416,41.975 v1(131.623,41.975)
NetDD6_5: DD6.5 R159.1 | length 16.1
  Top Layer w0.4: R159.1@122.95,30.225 v1(124.351,30.225) ; v1(130.888,36.938) 130.8,37.026 130.8,39.958 131.547,40.705 DD6.5@132.7,40.705
  Bottom Layer w0.4: v1(124.351,30.225) 130.85,36.724 130.85,36.9 v1(130.888,36.938)